# Altium PCB 4layers.PcbDoc (part 1 of 2)
Units mm, origin at the board's own origin, x right, y up, seen from the top; angles counter-clockwise.
Board outline 110 x 95 mm, 4 copper layers (Top Layer, Int1, Int2, Bottom Layer), stack 1.526 mm thick; 108 components, 85 nets, 458 pads, 325 vias.
Unrouted connection lines stored in the file: 104.
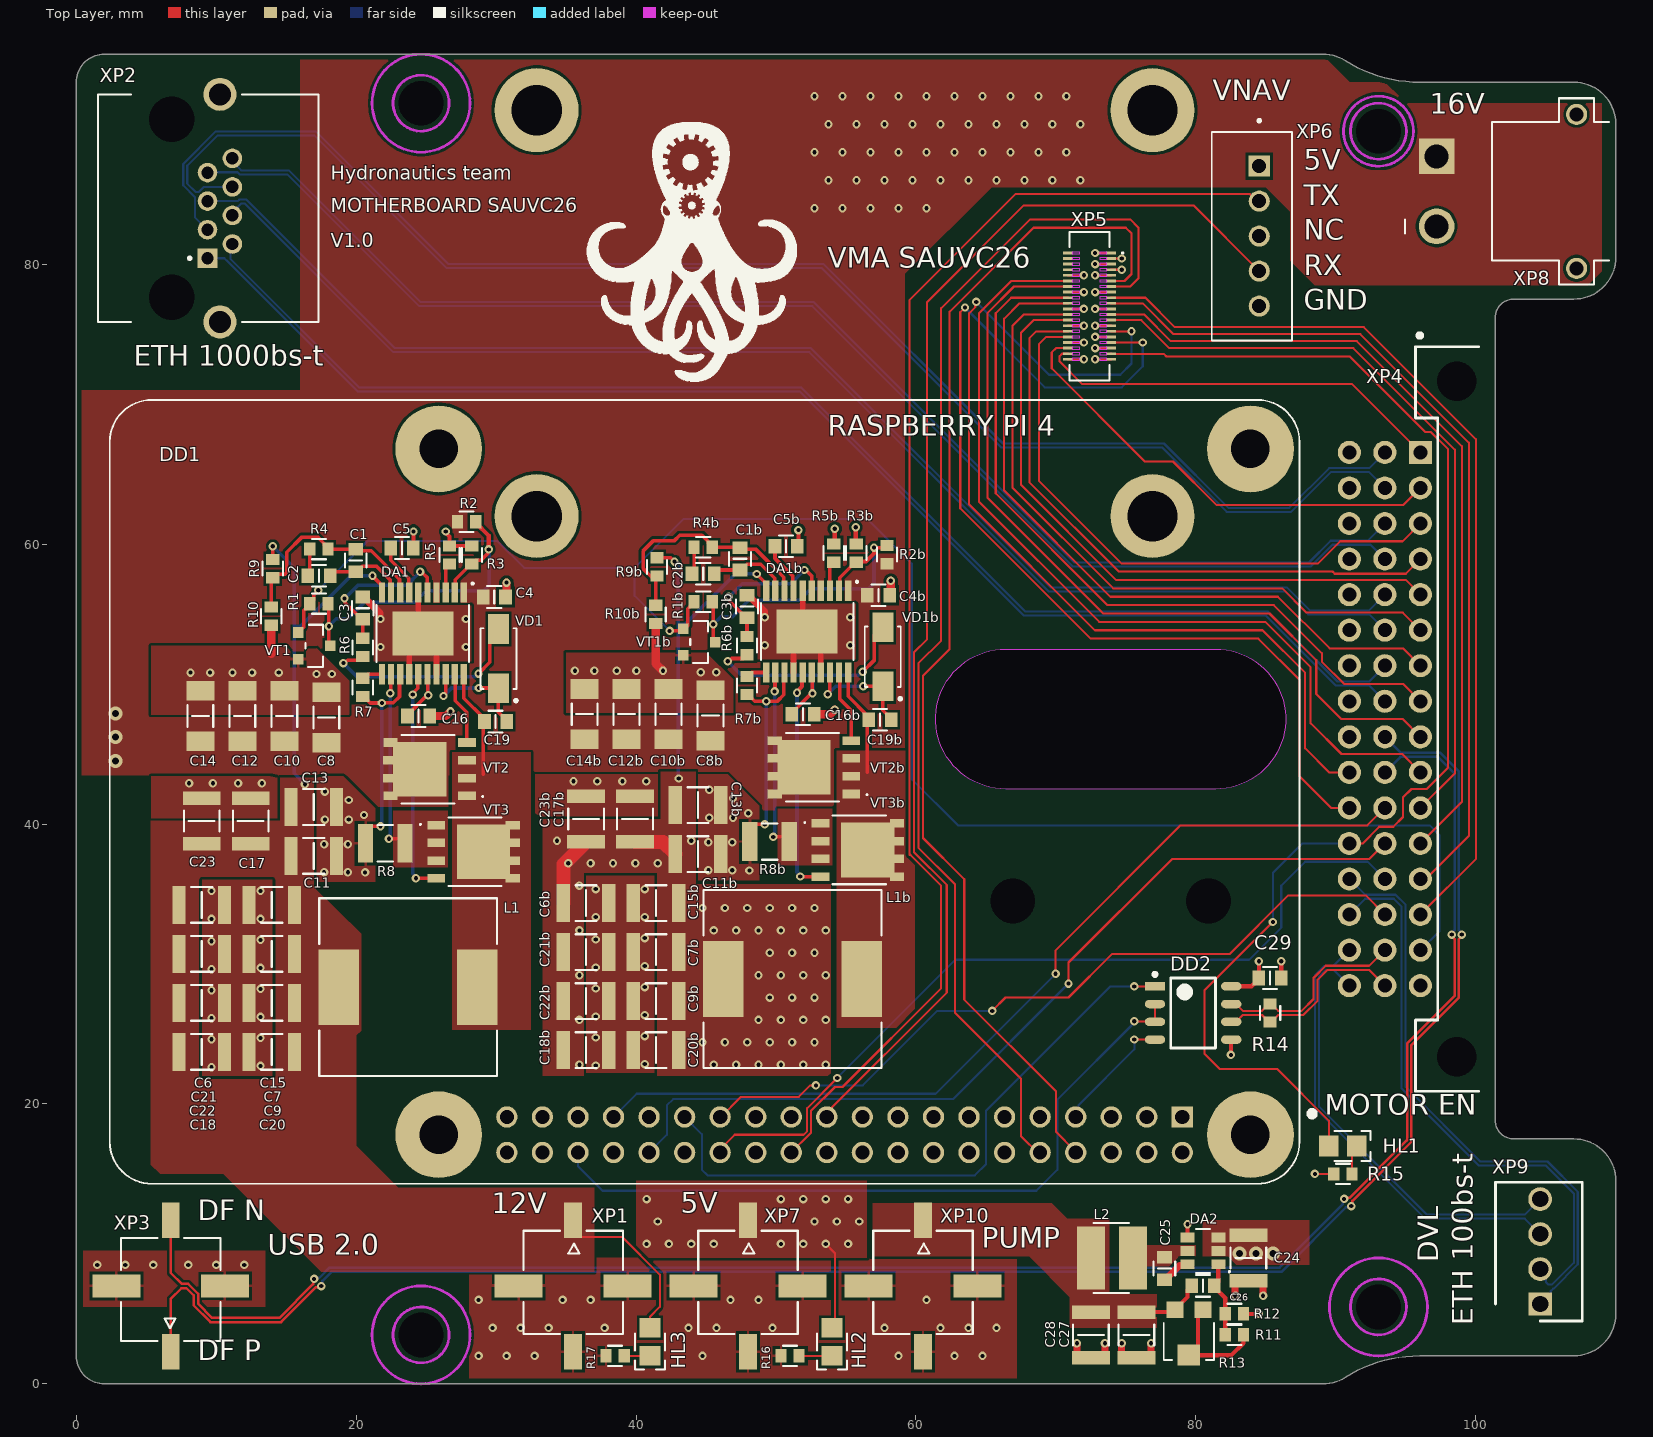
[diagram p0: Top Layer view]
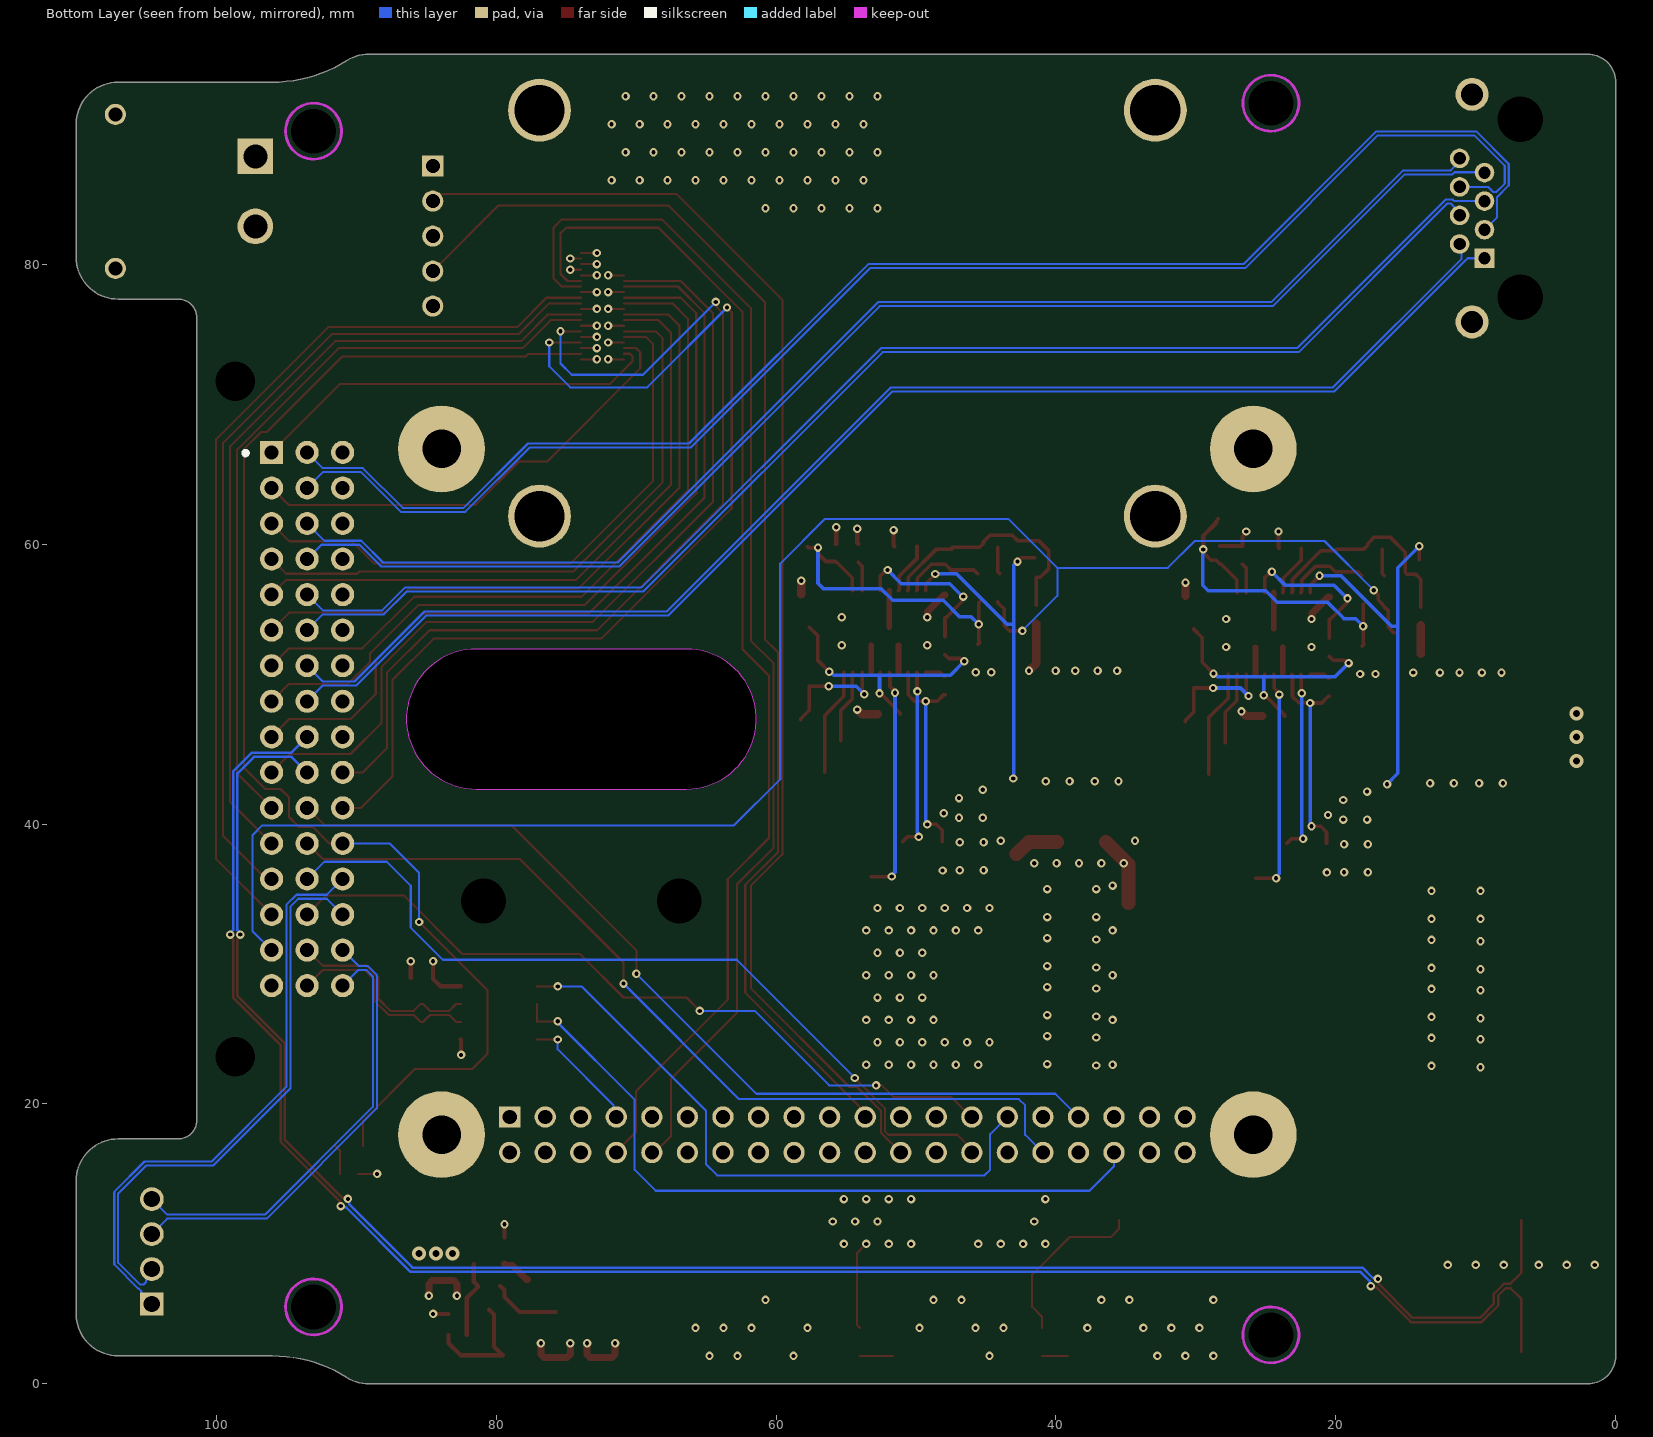
[diagram p1: Bottom Layer view, seen from below]
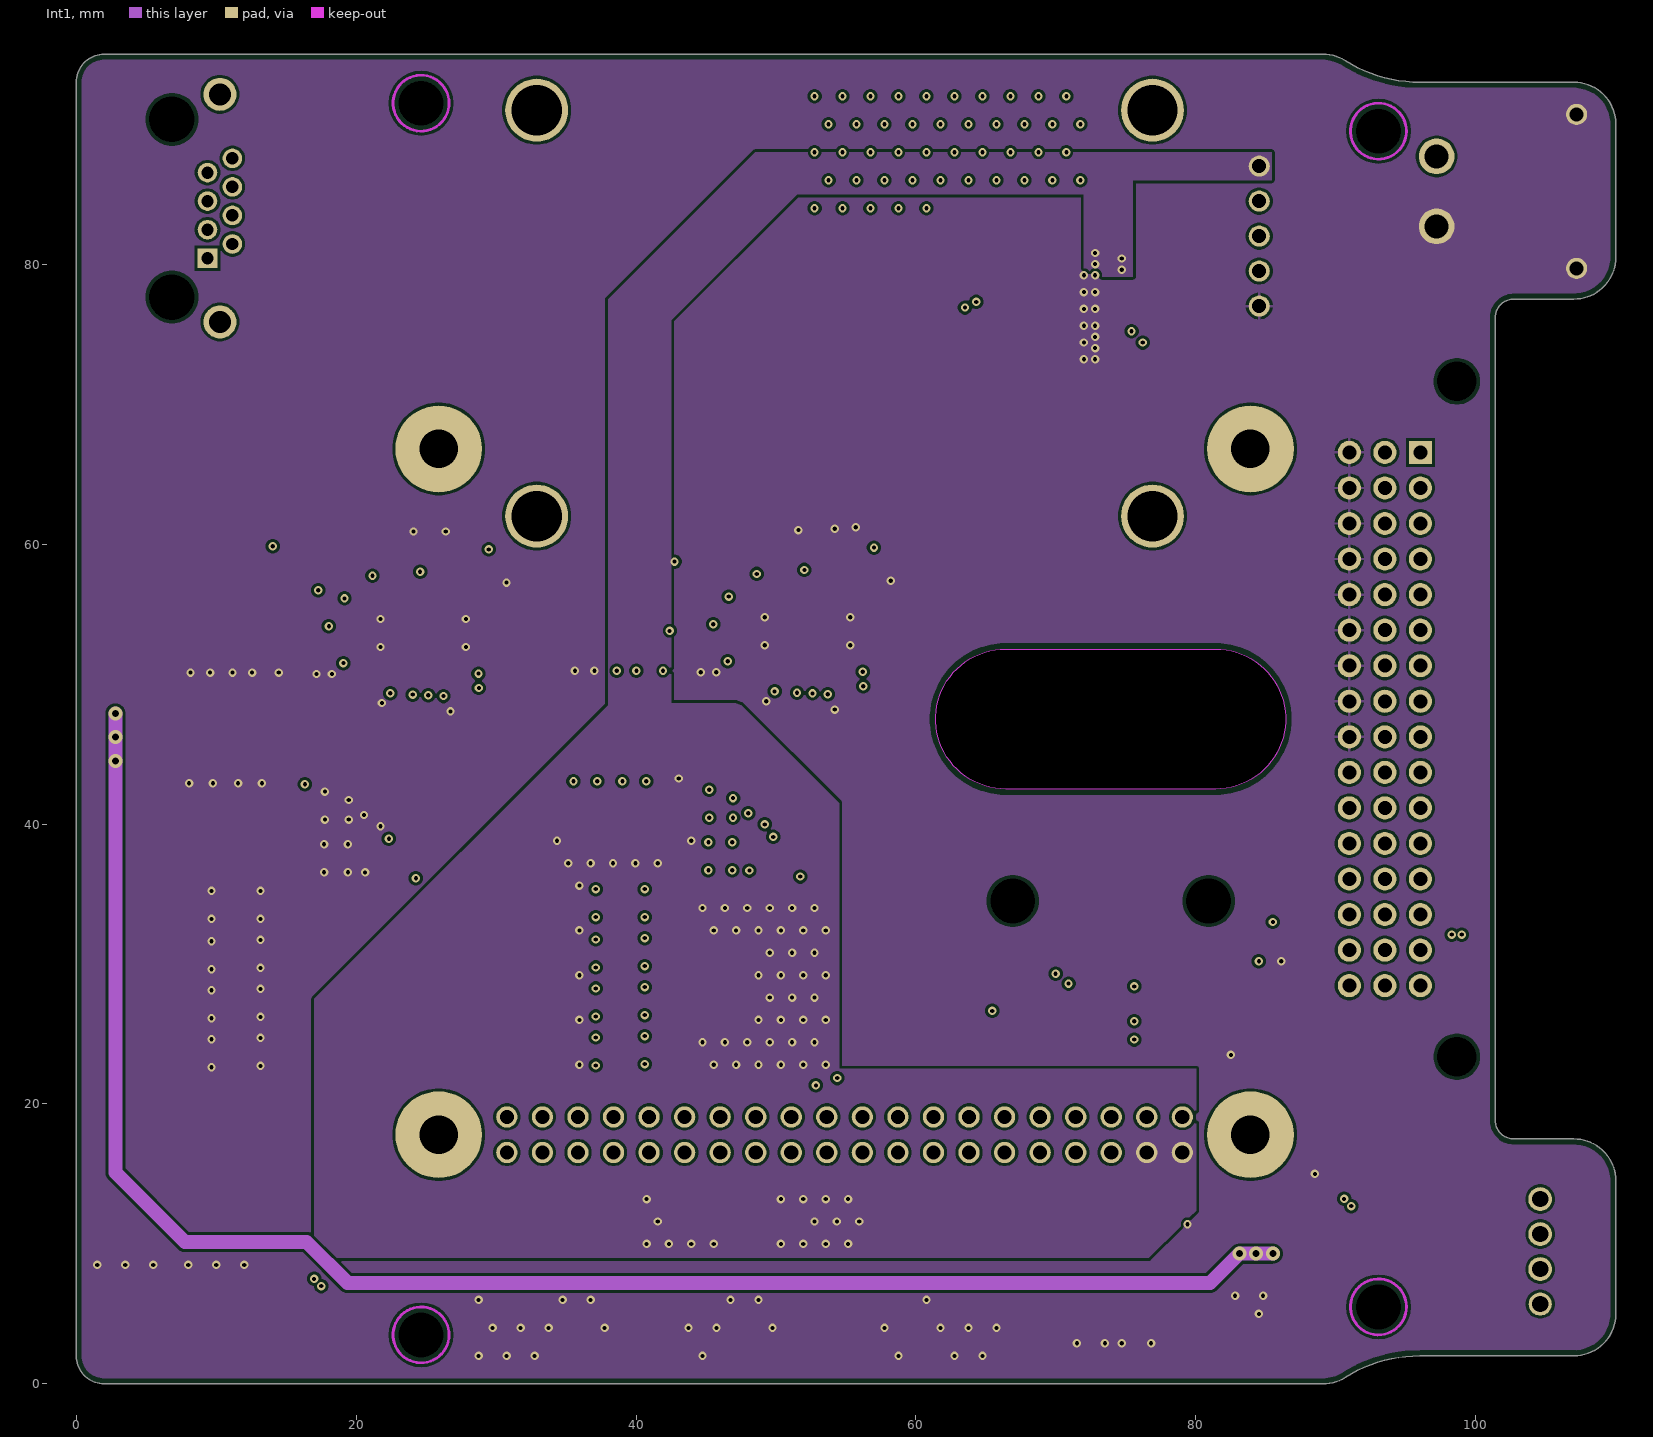
[diagram p2: Int1]
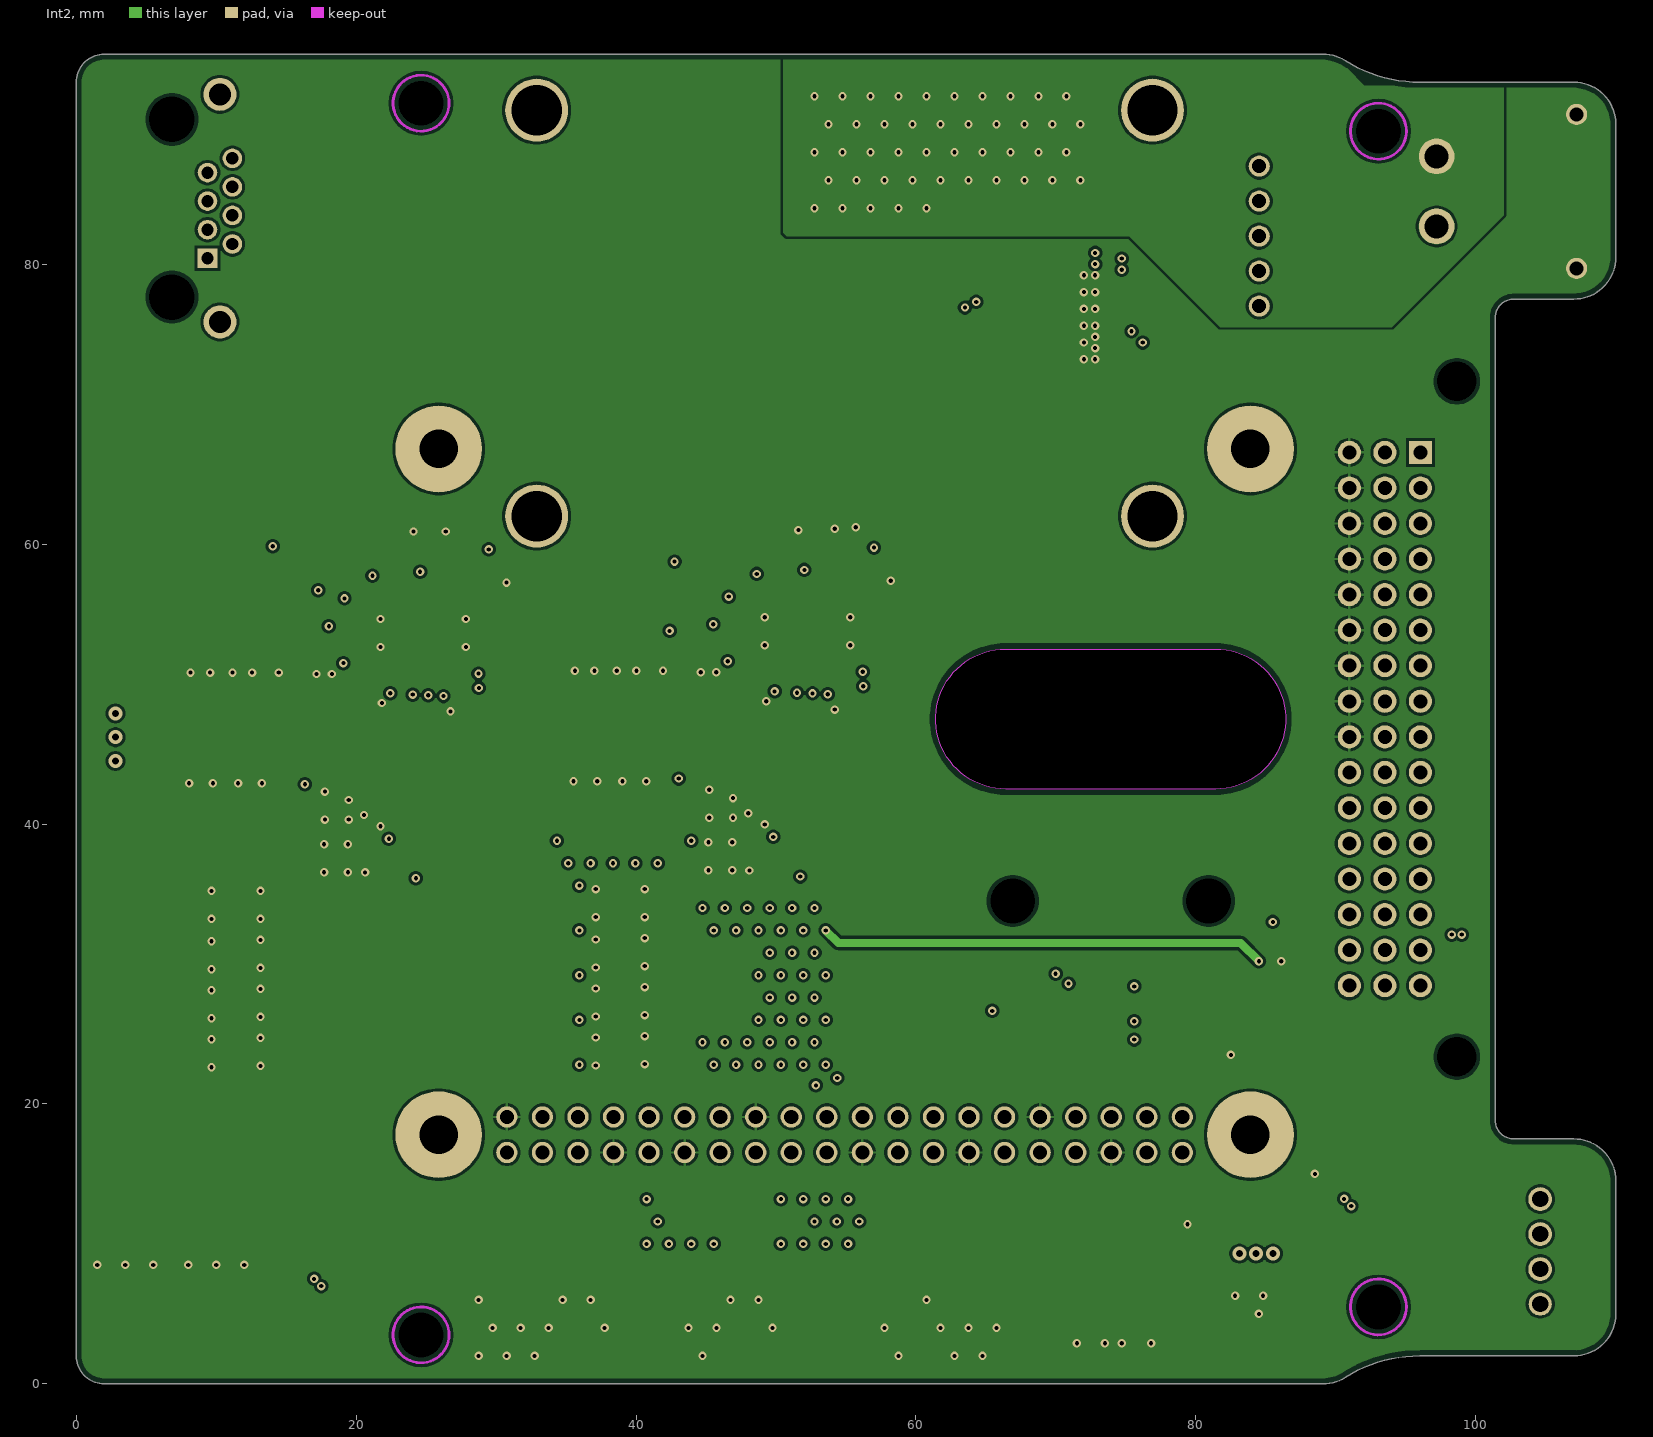
[diagram p3: Int2]

## Layer stack, top to bottom
Top Solder: solder mask 0.0254, SM-001, Dk 3.5
Top Layer: signal copper 0.018
Dielectric 1: prepreg 0.127, FR4, Dk 4.2
Int1: signal copper 0.018
Dielectric 2: core 1.2, FR4, Dk 4.6
Int2: signal copper 0.018
Dielectric 3: prepreg 0.127, FR4, Dk 4.2
Bottom Layer: signal copper 0.018
Bottom Solder: solder mask 0.0254, SM-001, Dk 3.5

## Board outline
0,2 ccw(c2,2) 2,0 89.072,0 ccw(c89.072,3) 90.671,0.462 cw(c96,-8) 96,2 107,2 ccw(c107,5) 110,5 110,14.5 ccw(c107,14.5) 107,17.5 102.7,17.5 cw(c102.7,18.8) 101.4,18.8 101.4,76.2 cw(c102.7,76.2) 102.7,77.5 107,77.5 ccw(c107,80.5) 110,80.5 110,90 ccw(c107,90) 107,93 96,93 cw(c96,103) 90.671,94.538 ccw(c89.072,92) 89.072,95 2,95 ccw(c2,93) 0,93
cut-out: 66.409,42.5 cw(c66.409,47.5) 66.409,52.5 81.409,52.5 cw(c81.409,47.5) 81.409,42.5

## Design rules (kind name [scope] priority, off if disabled: settings)
AcuteAngle [All] p1: minimum=3.50000000000000E+0001 checktracksonly=FALSE
BoardOutlineClearance "BoardOutlineClearance 2" [All] p1: gap=0.4 ignorepadtopadclearanceinfootprint=FALSE except(0: Arc-SplitContinuation Track-SplitContinuation SMDPad-SplitContinuation THPad-SplitContinuation Via-SplitContinuation Fill-SplitContinuation Poly-SplitContinuation Region-SplitContinuation Text-SplitContinuation) // V-Cut
Clearance "Clearance-1 1/2 Oz" [All] p1: gap=0.125 ignorepadtopadclearanceinfootprint=FALSE except(0.2: Arc-Fill Arc-Poly Track-Fill Track-Poly SMDPad-SMDPad SMDPad-Fill SMDPad-Poly THPad-Fill THPad-Poly Via-Fill Via-Poly Fill-Fill Fill-Poly Poly-Poly Poly-Region Poly-Text; 0.25: Arc-Hole Track-Hole SMDPad-Hole THPad-Hole Via-Hole Fill-Hole Poly-Hole Region-Hole Text-Hole) // Standart
DiffPairsRouting DiffPairsRouting_USB [InNetClass('USB')] p1: maxlimit=0.254 minlimit=0.127 mostfreqgap=0.254 toplayer_maxgap=0.127 toplayer_prefgap=0.127 toplayer_minwidth=0.18 toplayer_maxwidth=0.18 toplayer_prefwidth=0.18 bottomlayer_maxgap=0.127 bottomlayer_prefgap=0.127 bottomlayer_minwidth=0.18 bottomlayer_maxwidth=0.18 bottomlayer_prefwidth=0.18 impedanceprofiledriven=TRUE impedanceprofileid={E95935C3-DFA5-46C2-996E-60DFC62CFB96} impedanceprofilevalue=90.000000 maxuncoupledlength=12.7
DiffPairsRouting DiffPairsRouting_Ethernet [InNetClass('Ethernet')] p2: maxlimit=0.254 minlimit=0.134 mostfreqgap=0.254 toplayer_maxgap=0.134 toplayer_prefgap=0.134 toplayer_minwidth=0.15 toplayer_maxwidth=0.15 toplayer_prefwidth=0.15 bottomlayer_maxgap=0.134 bottomlayer_prefgap=0.134 bottomlayer_minwidth=0.15 bottomlayer_maxwidth=0.15 bottomlayer_prefwidth=0.15 impedanceprofiledriven=TRUE impedanceprofileid={E27F7E04-DA22-4BD8-B395-67B9CAAEB593} impedanceprofilevalue=100.000000 maxuncoupledlength=12.7
DiffPairsRouting "DiffPairsRouting 1/2 Oz" [All] p3: maxlimit=0.254 minlimit=0.125 mostfreqgap=0.15 toplayer_minwidth=0.15 toplayer_maxwidth=0.381 toplayer_prefwidth=0.2 midlayer1_minwidth=0.15 midlayer1_maxwidth=0.381 midlayer1_prefwidth=0.2 midlayer2_minwidth=0.15 midlayer2_maxwidth=0.381 midlayer2_prefwidth=0.2 bottomlayer_minwidth=0.15 bottomlayer_maxwidth=0.381 bottomlayer_prefwidth=0.2 maxuncoupledlength=12.7
Height [All] p1 off: minheight=0 maxheight=25.4 prefheight=12.7
HoleSize "Minimum HoleSize VIA 1" [IsVia] p1: absolutevalues=TRUE maxlimit=5.9 minlimit=0.3 maxpercent=80.000 minpercent=20.000 // Standart
HoleToHoleClearance Hole2HoleClearance [All] p1: gap=0.25 allowstackedmicrovias=FALSE
Length [InNetClass('USB3.0')] p1 off: maxlimit=65 minlimit=0
MatchedLengths [All] p1 off: tolerance=0.05 checknetsindiffpair=TRUE checkdiffpairvsdiffpair=FALSE checkxsignals=FALSE checkothers=FALSE
MaxMinImpedance "Schematic Impedance Constraint_20" [InNet('ETH 1_N')] p1: minimum=99.00 maximum=101.0
MaxMinImpedance "Schematic Impedance Constraint_19" [InNet('ETH 3_N')] p2: minimum=99.00 maximum=101.0
MaxMinImpedance "Schematic Impedance Constraint_18" [InNet('ETH 1_P')] p3: minimum=99.00 maximum=101.0
MaxMinImpedance "Schematic Impedance Constraint_17" [InNet('ETH 3_P')] p4: minimum=99.00 maximum=101.0
MaxMinImpedance "Schematic Impedance Constraint_16" [InNet('ETH 2_N')] p5: minimum=99.00 maximum=101.0
MaxMinImpedance "Schematic Impedance Constraint_15" [InNet('ETH 4_P')] p6: minimum=99.00 maximum=101.0
MaxMinImpedance "Schematic Impedance Constraint_14" [InNet('ETH 2_P')] p7: minimum=99.00 maximum=101.0
MaxMinImpedance "Schematic Impedance Constraint" [InNet('ETH 4_N')] p8: minimum=99.00 maximum=101.0
MaxMinImpedance "Schematic Impedance Constraint_5" [InNet('eth_6_P')] p9: minimum=95.00 maximum=105.0
MaxMinImpedance "Schematic Impedance Constraint_4" [InNet('eth_5_N')] p10: minimum=95.00 maximum=105.0
MaxMinImpedance "Schematic Impedance Constraint_3" [InNet('eth_6_N')] p11: minimum=95.00 maximum=105.0
MaxMinImpedance "Schematic Impedance Constraint_2" [InNet('eth_5_P')] p12: minimum=95.00 maximum=105.0
MaxMinImpedance "Schematic Impedance Constraint_1" [InNetClass('USB')] p13: minimum=89.00 maximum=91.00
MinimumAnnularRing "Minimum AR VIA Standart" [All] p1: minimumring=0.15
MinimumAnnularRing "Minimum AR PAD Standart" [All] p2: minimumring=0.2
MinimumSolderMaskSliver "SolderMask Bridge Standart" [All] p1: minsoldermaskwidth=0.149 // All Masks
PlaneClearance "PlaneClearance-1 1/2 Oz" [All] p1: clearance=0.2 // Standart
PlaneClearance "PlaneClearance-2 1/2 Oz" [All] p2: clearance=0.15 // Advance
PlaneConnect "TermalConnect-1 1/2 Oz" [All] p1: planeconnectstyle=Relief reliefexpansion=0.2 reliefentries=4 reliefconductorwidth=0.2 reliefairgap=0.2 // Standart
PlaneConnect "TermalConnect-2 1/2 Oz" [All] p2: pad.planeconnectstyle=Relief pad.reliefexpansion=0.15 pad.reliefentries=4 pad.reliefconductorwidth=0.15 pad.reliefairgap=0.15 via.planeconnectstyle=Direct via.reliefexpansion=0.15 via.reliefentries=4 via.reliefconductorwidth=0.15 via.reliefairgap=0.15 // Advance
PolygonConnect PolygonConnect_no_thrl [(HasFootprint('1206C') OR HasFootprint('1210C') OR HasFootprint('HTSSOP-20') OR HasFootprint('XT30PW-M'))] p1: connectstyle=Direct reliefconductorwidth=0.254 reliefentries=4 polygonreliefangle="90 Angle" airgapwidth=0.254
PolygonConnect "PolygonConnect-2 1/2 Oz" [InNet('GND')] p2: thpad.connectstyle=Relief thpad.reliefconductorwidth=0.2 thpad.reliefentries=4 thpad.polygonreliefangle="90 Angle" thpad.airgapwidth=0.2 smdpad.connectstyle=Relief smdpad.reliefconductorwidth=0.2 smdpad.reliefentries=4 smdpad.polygonreliefangle="90 Angle" smdpad.airgapwidth=0.2 via.connectstyle=Direct via.reliefconductorwidth=0.254 via.reliefentries=4 via.polygonreliefangle="90 Angle" via.airgapwidth=0.254 // Advance
PolygonConnect "PolygonConnect-1 1/2 Oz" [All] p3: connectstyle=Direct reliefconductorwidth=0.15 reliefentries=4 polygonreliefangle="90 Angle" airgapwidth=0.2 // Standart
RoutingCorners [All] p1 off: cornerstyle=45-Degree minsetback=2.54 maxsetback=2.54
RoutingVias [All] p1: holewidth=0.3 width=0.6 viastyle="Through Hole" minholewidth=0.2 minwidth=0.4 maxholewidth=5.9 maxwidth=6.4